# Altium PCB PCB3.PcbDoc (part 4 of 9) (continued)
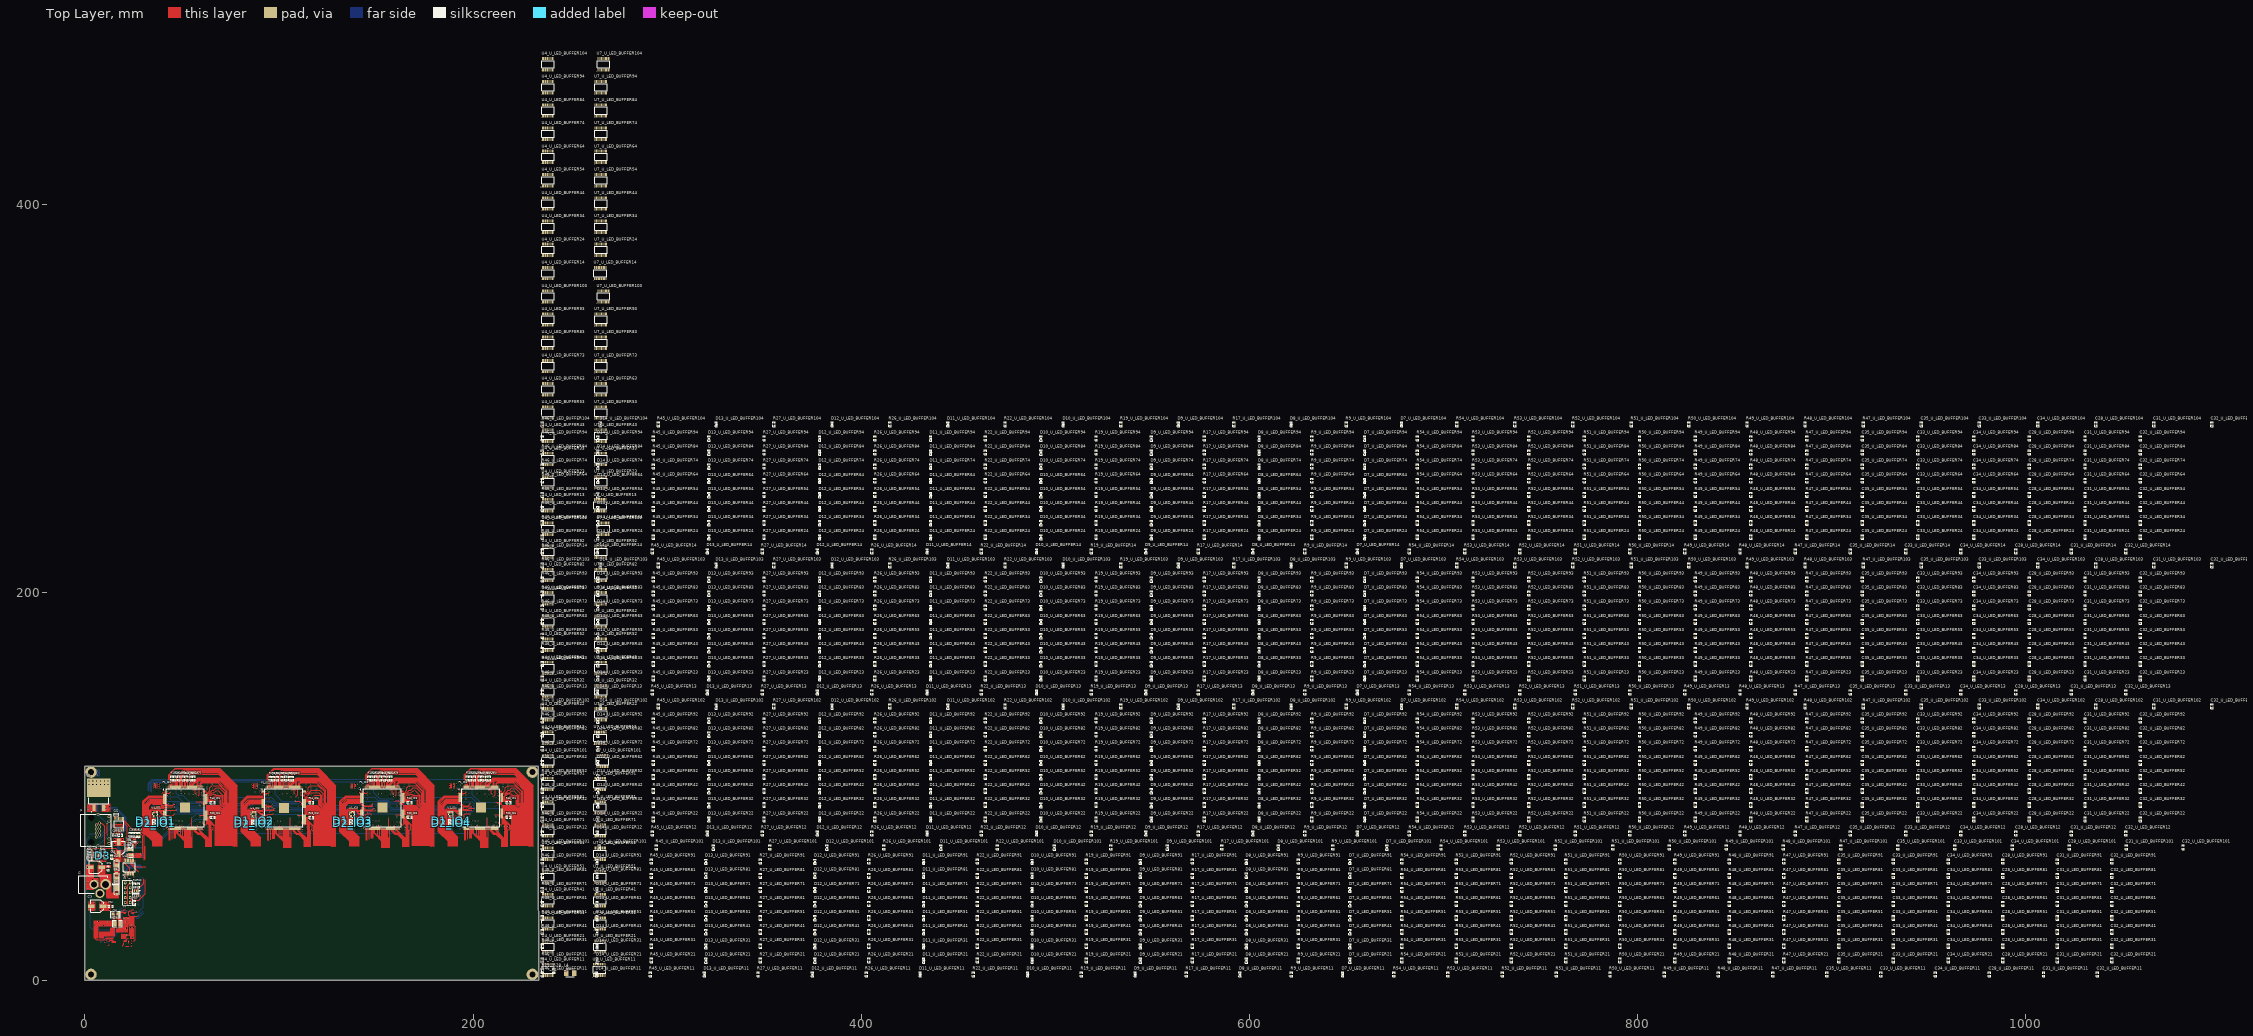
[diagram p0: Top Layer view]
## Part data
C1_IO1 C1_IO2 C1_IO3 C1_IO4 C28_U_LED_BUFFER11 C28_U_LED_BUFFER12 C28_U_LED_BUFFER13 C28_U_LED_BUFFER14 C28_U_LED_BUFFER21 C28_U_LED_BUFFER22 C28_U_LED_BUFFER23 C28_U_LED_BUFFER24 C28_U_LED_BUFFER31 C28_U_LED_BUFFER32 C28_U_LED_BUFFER33 C28_U_LED_BUFFER34 C28_U_LED_BUFFER41 C28_U_LED_BUFFER42 C28_U_LED_BUFFER43 C28_U_LED_BUFFER44 C28_U_LED_BUFFER51 C28_U_LED_BUFFER52 C28_U_LED_BUFFER53 C28_U_LED_BUFFER54 C28_U_LED_BUFFER61 C28_U_LED_BUFFER62 C28_U_LED_BUFFER63 C28_U_LED_BUFFER64 C28_U_LED_BUFFER71 C28_U_LED_BUFFER72 C28_U_LED_BUFFER73 C28_U_LED_BUFFER74 C28_U_LED_BUFFER81 C28_U_LED_BUFFER82 C28_U_LED_BUFFER83 C28_U_LED_BUFFER84 C28_U_LED_BUFFER91 C28_U_LED_BUFFER92 C28_U_LED_BUFFER93 C28_U_LED_BUFFER94 C28_U_LED_BUFFER101 C28_U_LED_BUFFER102 C28_U_LED_BUFFER103 C28_U_LED_BUFFER104 C31_U_LED_BUFFER11 C31_U_LED_BUFFER12 C31_U_LED_BUFFER13 C31_U_LED_BUFFER14 C31_U_LED_BUFFER21 C31_U_LED_BUFFER22 C31_U_LED_BUFFER23 C31_U_LED_BUFFER24 C31_U_LED_BUFFER31 C31_U_LED_BUFFER32 C31_U_LED_BUFFER33 C31_U_LED_BUFFER34 C31_U_LED_BUFFER41 C31_U_LED_BUFFER42 C31_U_LED_BUFFER43 C31_U_LED_BUFFER44 C31_U_LED_BUFFER51 C31_U_LED_BUFFER52 C31_U_LED_BUFFER53 C31_U_LED_BUFFER54 C31_U_LED_BUFFER61 C31_U_LED_BUFFER62 C31_U_LED_BUFFER63 C31_U_LED_BUFFER64 C31_U_LED_BUFFER71 C31_U_LED_BUFFER72 C31_U_LED_BUFFER73 C31_U_LED_BUFFER74 C31_U_LED_BUFFER81 C31_U_LED_BUFFER82 C31_U_LED_BUFFER83 C31_U_LED_BUFFER84 C31_U_LED_BUFFER91 C31_U_LED_BUFFER92 C31_U_LED_BUFFER93 C31_U_LED_BUFFER94 C31_U_LED_BUFFER101 C31_U_LED_BUFFER102 C31_U_LED_BUFFER103 C31_U_LED_BUFFER104 C32_U_LED_BUFFER11 C32_U_LED_BUFFER12 C32_U_LED_BUFFER13 C32_U_LED_BUFFER14 C32_U_LED_BUFFER21 C32_U_LED_BUFFER22 C32_U_LED_BUFFER23 C32_U_LED_BUFFER24 C32_U_LED_BUFFER31 C32_U_LED_BUFFER32 C32_U_LED_BUFFER33 C32_U_LED_BUFFER34 C32_U_LED_BUFFER41 C32_U_LED_BUFFER42 C32_U_LED_BUFFER43 C32_U_LED_BUFFER44 C32_U_LED_BUFFER51 C32_U_LED_BUFFER52 C32_U_LED_BUFFER53 C32_U_LED_BUFFER54 C32_U_LED_BUFFER61 C32_U_LED_BUFFER62 C32_U_LED_BUFFER63 C32_U_LED_BUFFER64 C32_U_LED_BUFFER71 C32_U_LED_BUFFER72 C32_U_LED_BUFFER73 C32_U_LED_BUFFER74 C32_U_LED_BUFFER81 C32_U_LED_BUFFER82 C32_U_LED_BUFFER83 C32_U_LED_BUFFER84 C32_U_LED_BUFFER91 C32_U_LED_BUFFER92 C32_U_LED_BUFFER93 C32_U_LED_BUFFER94 C32_U_LED_BUFFER101 C32_U_LED_BUFFER102 C32_U_LED_BUFFER103 C32_U_LED_BUFFER104: library part Cap, "Multilayer Ceramic Capacitors MLCC - SMD/SMT 0603 16VDC 0.1uF 10% X7R AEC-Q200", Mfr="Taiyo Yuden", Mfr Part No=EMK107B7104KAHT, Package=0603, PRICE=0.101, Stockiest=MOUSER, Stockiest Part No=963-EMK107B7104KAHT
C18: library part Cap, "Multilayer Ceramic Capacitors MLCC - SMD/SMT 16volts 1uF X7R 10%", Mfr=KEMET, Mfr Part No=C0603C105K4RAC7411, Package=0603, PRICE=0.101, Stockiest=MOUSER, Stockiest Part No=80-C0603C105K4RLR
C19 C26 C27 C29 C30: library part Cap, "Multilayer Ceramic Capacitors MLCC - SMD/SMT 1210 25VDC 22uF 20% X7R AEC-Q200", Mfr="Taiyo Yuden", Mfr Part No=TMK325B7226MMHP, Package=1210, PRICE=0.807, Stockiest=MOUSER, Stockiest Part No=963-TMK325B7226MMHP
C20 C40 C41 C42 C43 C44: library part Cap, "Multilayer Ceramic Capacitors MLCC - SMD/SMT 50V 0.1uF 0603 X7R 20%", Mfr=KEMET, Mfr Part No=C0603C104M5RACTU, Package=0603, PRICE=0.101, Stockiest=MOUSER, Stockiest Part No=80-C0603C104M5R
C21: library part Cap, "Multilayer Ceramic Capacitors MLCC - SMD/SMT 63V 1000pF 0603 X7R 10% AEC-Q200", Mfr=KEMET, Mfr Part No=80-C0603C102KMREAUTO, Package=0603, PRICE=0.201, Stockiest=MOUSER, Stockiest Part No=C0603C102KMRECAUTO
C22: library part Cap, "Multilayer Ceramic Capacitors MLCC - SMD/SMT 0603 50VDC 6.8nF 5% C0G AEC-Q200", Mfr=TDK, Mfr Part No=CGA3E2C0G1H682J080AE, Package=0603, PRICE=0.363, Stockiest=MOUSER, Stockiest Part No=810-CGA3E2C0G1H682J8
C25 C36 C37 C38 C39: library part Cap, "Multilayer Ceramic Capacitors MLCC - SMD/SMT 50V 10pF 0603 C0G 5% AEC-Q200", Mfr=KEMET, Mfr Part No=C0603C100J5GACAUTO, Package=0603, PRICE=0.192, Stockiest=MOUSER, Stockiest Part No=80-C0603C100J5GAUTO
C33_U_LED_BUFFER11 C33_U_LED_BUFFER12 C33_U_LED_BUFFER13 C33_U_LED_BUFFER14 C33_U_LED_BUFFER21 C33_U_LED_BUFFER22 C33_U_LED_BUFFER23 C33_U_LED_BUFFER24 C33_U_LED_BUFFER31 C33_U_LED_BUFFER32 C33_U_LED_BUFFER33 C33_U_LED_BUFFER34 C33_U_LED_BUFFER41 C33_U_LED_BUFFER42 C33_U_LED_BUFFER43 C33_U_LED_BUFFER44 C33_U_LED_BUFFER51 C33_U_LED_BUFFER52 C33_U_LED_BUFFER53 C33_U_LED_BUFFER54 C33_U_LED_BUFFER61 C33_U_LED_BUFFER62 C33_U_LED_BUFFER63 C33_U_LED_BUFFER64 C33_U_LED_BUFFER71 C33_U_LED_BUFFER72 C33_U_LED_BUFFER73 C33_U_LED_BUFFER74 C33_U_LED_BUFFER81 C33_U_LED_BUFFER82 C33_U_LED_BUFFER83 C33_U_LED_BUFFER84 C33_U_LED_BUFFER91 C33_U_LED_BUFFER92 C33_U_LED_BUFFER93 C33_U_LED_BUFFER94 C33_U_LED_BUFFER101 C33_U_LED_BUFFER102 C33_U_LED_BUFFER103 C33_U_LED_BUFFER104 C34_U_LED_BUFFER11 C34_U_LED_BUFFER12 C34_U_LED_BUFFER13 C34_U_LED_BUFFER14 C34_U_LED_BUFFER21 C34_U_LED_BUFFER22 C34_U_LED_BUFFER23 C34_U_LED_BUFFER24 C34_U_LED_BUFFER31 C34_U_LED_BUFFER32 C34_U_LED_BUFFER33 C34_U_LED_BUFFER34 C34_U_LED_BUFFER41 C34_U_LED_BUFFER42 C34_U_LED_BUFFER43 C34_U_LED_BUFFER44 C34_U_LED_BUFFER51 C34_U_LED_BUFFER52 C34_U_LED_BUFFER53 C34_U_LED_BUFFER54 C34_U_LED_BUFFER61 C34_U_LED_BUFFER62 C34_U_LED_BUFFER63 C34_U_LED_BUFFER64 C34_U_LED_BUFFER71 C34_U_LED_BUFFER72 C34_U_LED_BUFFER73 C34_U_LED_BUFFER74 C34_U_LED_BUFFER81 C34_U_LED_BUFFER82 C34_U_LED_BUFFER83 C34_U_LED_BUFFER84 C34_U_LED_BUFFER91 C34_U_LED_BUFFER92 C34_U_LED_BUFFER93 C34_U_LED_BUFFER94 C34_U_LED_BUFFER101 C34_U_LED_BUFFER102 C34_U_LED_BUFFER103 C34_U_LED_BUFFER104 C35_U_LED_BUFFER11 C35_U_LED_BUFFER12 C35_U_LED_BUFFER13 C35_U_LED_BUFFER14 C35_U_LED_BUFFER21 C35_U_LED_BUFFER22 C35_U_LED_BUFFER23 C35_U_LED_BUFFER24 C35_U_LED_BUFFER31 C35_U_LED_BUFFER32 C35_U_LED_BUFFER33 C35_U_LED_BUFFER34 C35_U_LED_BUFFER41 C35_U_LED_BUFFER42 C35_U_LED_BUFFER43 C35_U_LED_BUFFER44 C35_U_LED_BUFFER51 C35_U_LED_BUFFER52 C35_U_LED_BUFFER53 C35_U_LED_BUFFER54 C35_U_LED_BUFFER61 C35_U_LED_BUFFER62 C35_U_LED_BUFFER63 C35_U_LED_BUFFER64 C35_U_LED_BUFFER71 C35_U_LED_BUFFER72 C35_U_LED_BUFFER73 C35_U_LED_BUFFER74 C35_U_LED_BUFFER81 C35_U_LED_BUFFER82 C35_U_LED_BUFFER83 C35_U_LED_BUFFER84 C35_U_LED_BUFFER91 C35_U_LED_BUFFER92 C35_U_LED_BUFFER93 C35_U_LED_BUFFER94 C35_U_LED_BUFFER101 C35_U_LED_BUFFER102 C35_U_LED_BUFFER103 C35_U_LED_BUFFER104: library part Cap, "Multilayer Ceramic Capacitors MLCC - SMD/SMT 16volts 1uF X7R 10%", Mfr=KEMET, Mfr Part No=C0603C105K4RACTU, Package=0603, PRICE=0.101, Stockiest=MOUSER, Stockiest Part No=80-C0603C105K4R
C73 C76 C79: library part "Cap Pol1", "Polarized Capacitor (Radial)", Mfr=Panasonic, Mfr Part No=EEE-FN1J100L, Package=SMD, PRICE=0.484, Stockiest=MOUSER, Stockiest Part No=667-EEE-FN1J100L
C74 C75 C77 C78: library part Cap, "Multilayer Ceramic Capacitors MLCC - SMD/SMT 0603 2.2uF 20% 50VDC X5R", Mfr="Murata Electronics", Mfr Part No=GRM188R61H225ME11J, Package=0603, PRICE=0.333, Stockiest=MOUSER, Stockiest Part No=81-GRM188R61H225ME1J
D1_IO1 D1_IO2 D1_IO3 D1_IO4 D2_IO1 D2_IO2 D2_IO3 D2_IO4 D3: library part LED, "Standard LEDs - SMD Red 631nm 14mcd 5mA", Mfr=Lite-On, Mfr Part No=LTST-C193KRKT-5A, Package=0603, PRICE=0.393, Stockiest=MOUSER, Stockiest Part No=859-LTSTC193KRKT5A
D4 D5 D6: "Schottky Diodes & Rectifiers 8A 100V", Mfr="Vishay General Semiconductor", Mfr Part No=V8PAM10S-M3/H, PRICE=0.39, Stockiest=MOUSER, Stockiest Part No=78-V8PAM10S-M3/H
D7_U_LED_BUFFER11 D7_U_LED_BUFFER12 D7_U_LED_BUFFER13 D7_U_LED_BUFFER14 D7_U_LED_BUFFER21 D7_U_LED_BUFFER22 D7_U_LED_BUFFER23 D7_U_LED_BUFFER24 D7_U_LED_BUFFER31 D7_U_LED_BUFFER32 D7_U_LED_BUFFER33 D7_U_LED_BUFFER34 D7_U_LED_BUFFER41 D7_U_LED_BUFFER42 D7_U_LED_BUFFER43 D7_U_LED_BUFFER44 D7_U_LED_BUFFER51 D7_U_LED_BUFFER52 D7_U_LED_BUFFER53 D7_U_LED_BUFFER54 D7_U_LED_BUFFER61 D7_U_LED_BUFFER62 D7_U_LED_BUFFER63 D7_U_LED_BUFFER64 D7_U_LED_BUFFER71 D7_U_LED_BUFFER72 D7_U_LED_BUFFER73 D7_U_LED_BUFFER74 D7_U_LED_BUFFER81 D7_U_LED_BUFFER82 D7_U_LED_BUFFER83 D7_U_LED_BUFFER84 D7_U_LED_BUFFER91 D7_U_LED_BUFFER92 D7_U_LED_BUFFER93 D7_U_LED_BUFFER94 D7_U_LED_BUFFER101 D7_U_LED_BUFFER102 D7_U_LED_BUFFER103 D7_U_LED_BUFFER104 D8_U_LED_BUFFER11 D8_U_LED_BUFFER12 D8_U_LED_BUFFER13 D8_U_LED_BUFFER14 D8_U_LED_BUFFER21 D8_U_LED_BUFFER22 D8_U_LED_BUFFER23 D8_U_LED_BUFFER24 D8_U_LED_BUFFER31 D8_U_LED_BUFFER32 D8_U_LED_BUFFER33 D8_U_LED_BUFFER34 D8_U_LED_BUFFER41 D8_U_LED_BUFFER42 D8_U_LED_BUFFER43 D8_U_LED_BUFFER44 D8_U_LED_BUFFER51 D8_U_LED_BUFFER52 D8_U_LED_BUFFER53 D8_U_LED_BUFFER54 D8_U_LED_BUFFER61 D8_U_LED_BUFFER62 D8_U_LED_BUFFER63 D8_U_LED_BUFFER64 D8_U_LED_BUFFER71 D8_U_LED_BUFFER72 D8_U_LED_BUFFER73 D8_U_LED_BUFFER74 D8_U_LED_BUFFER81 D8_U_LED_BUFFER82 D8_U_LED_BUFFER83 D8_U_LED_BUFFER84 D8_U_LED_BUFFER91 D8_U_LED_BUFFER92 D8_U_LED_BUFFER93 D8_U_LED_BUFFER94 D8_U_LED_BUFFER101 D8_U_LED_BUFFER102 D8_U_LED_BUFFER103 D8_U_LED_BUFFER104 D9_U_LED_BUFFER11 D9_U_LED_BUFFER12 D9_U_LED_BUFFER13 D9_U_LED_BUFFER14 D9_U_LED_BUFFER21 D9_U_LED_BUFFER22 D9_U_LED_BUFFER23 D9_U_LED_BUFFER24 D9_U_LED_BUFFER31 D9_U_LED_BUFFER32 D9_U_LED_BUFFER33 D9_U_LED_BUFFER34 D9_U_LED_BUFFER41 D9_U_LED_BUFFER42 D9_U_LED_BUFFER43 D9_U_LED_BUFFER44 D9_U_LED_BUFFER51 D9_U_LED_BUFFER52 D9_U_LED_BUFFER53 D9_U_LED_BUFFER54 D9_U_LED_BUFFER61 D9_U_LED_BUFFER62 D9_U_LED_BUFFER63 D9_U_LED_BUFFER64 D9_U_LED_BUFFER71 D9_U_LED_BUFFER72 D9_U_LED_BUFFER73 D9_U_LED_BUFFER74 D9_U_LED_BUFFER81 D9_U_LED_BUFFER82 D9_U_LED_BUFFER83 D9_U_LED_BUFFER84 D9_U_LED_BUFFER91 D9_U_LED_BUFFER92 D9_U_LED_BUFFER93 D9_U_LED_BUFFER94 D9_U_LED_BUFFER101 D9_U_LED_BUFFER102 D9_U_LED_BUFFER103 D9_U_LED_BUFFER104 D10_U_LED_BUFFER11 D10_U_LED_BUFFER12 D10_U_LED_BUFFER13 D10_U_LED_BUFFER14 D10_U_LED_BUFFER21 D10_U_LED_BUFFER22 D10_U_LED_BUFFER23 D10_U_LED_BUFFER24 D10_U_LED_BUFFER31 D10_U_LED_BUFFER32 D10_U_LED_BUFFER33 D10_U_LED_BUFFER34 D10_U_LED_BUFFER41 D10_U_LED_BUFFER42 D10_U_LED_BUFFER43 D10_U_LED_BUFFER44 D10_U_LED_BUFFER51 D10_U_LED_BUFFER52 D10_U_LED_BUFFER53 D10_U_LED_BUFFER54 D10_U_LED_BUFFER61 D10_U_LED_BUFFER62 D10_U_LED_BUFFER63 D10_U_LED_BUFFER64 D10_U_LED_BUFFER71 D10_U_LED_BUFFER72 D10_U_LED_BUFFER73 D10_U_LED_BUFFER74 D10_U_LED_BUFFER81 D10_U_LED_BUFFER82 D10_U_LED_BUFFER83 D10_U_LED_BUFFER84 D10_U_LED_BUFFER91 D10_U_LED_BUFFER92 D10_U_LED_BUFFER93 D10_U_LED_BUFFER94 D10_U_LED_BUFFER101 D10_U_LED_BUFFER102 D10_U_LED_BUFFER103 D10_U_LED_BUFFER104 D11_U_LED_BUFFER11 D11_U_LED_BUFFER12 D11_U_LED_BUFFER13 D11_U_LED_BUFFER14 D11_U_LED_BUFFER21 D11_U_LED_BUFFER22 D11_U_LED_BUFFER23 D11_U_LED_BUFFER24 D11_U_LED_BUFFER31 D11_U_LED_BUFFER32 D11_U_LED_BUFFER33 D11_U_LED_BUFFER34 D11_U_LED_BUFFER41 D11_U_LED_BUFFER42 D11_U_LED_BUFFER43 D11_U_LED_BUFFER44 D11_U_LED_BUFFER51 D11_U_LED_BUFFER52 D11_U_LED_BUFFER53 D11_U_LED_BUFFER54 D11_U_LED_BUFFER61 D11_U_LED_BUFFER62 D11_U_LED_BUFFER63 D11_U_LED_BUFFER64 D11_U_LED_BUFFER71 D11_U_LED_BUFFER72 D11_U_LED_BUFFER73 D11_U_LED_BUFFER74 D11_U_LED_BUFFER81 D11_U_LED_BUFFER82 D11_U_LED_BUFFER83 D11_U_LED_BUFFER84 D11_U_LED_BUFFER91 D11_U_LED_BUFFER92 D11_U_LED_BUFFER93 D11_U_LED_BUFFER94 D11_U_LED_BUFFER101 D11_U_LED_BUFFER102 D11_U_LED_BUFFER103 D11_U_LED_BUFFER104 D12_U_LED_BUFFER11 D12_U_LED_BUFFER12 D12_U_LED_BUFFER13 D12_U_LED_BUFFER14 D12_U_LED_BUFFER21 D12_U_LED_BUFFER22 D12_U_LED_BUFFER23 D12_U_LED_BUFFER24 D12_U_LED_BUFFER31 D12_U_LED_BUFFER32 D12_U_LED_BUFFER33 D12_U_LED_BUFFER34 D12_U_LED_BUFFER41 D12_U_LED_BUFFER42 D12_U_LED_BUFFER43 D12_U_LED_BUFFER44 D12_U_LED_BUFFER51 D12_U_LED_BUFFER52 D12_U_LED_BUFFER53 D12_U_LED_BUFFER54 D12_U_LED_BUFFER61 D12_U_LED_BUFFER62 D12_U_LED_BUFFER63 D12_U_LED_BUFFER64 D12_U_LED_BUFFER71 D12_U_LED_BUFFER72 D12_U_LED_BUFFER73 D12_U_LED_BUFFER74 D12_U_LED_BUFFER81 D12_U_LED_BUFFER82 D12_U_LED_BUFFER83 D12_U_LED_BUFFER84 D12_U_LED_BUFFER91 D12_U_LED_BUFFER92 D12_U_LED_BUFFER93 D12_U_LED_BUFFER94 D12_U_LED_BUFFER101 D12_U_LED_BUFFER102 D12_U_LED_BUFFER103 D12_U_LED_BUFFER104 D13_U_LED_BUFFER11 D13_U_LED_BUFFER12 D13_U_LED_BUFFER13 D13_U_LED_BUFFER14 D13_U_LED_BUFFER21 D13_U_LED_BUFFER22 D13_U_LED_BUFFER23 D13_U_LED_BUFFER24 D13_U_LED_BUFFER31 D13_U_LED_BUFFER32 D13_U_LED_BUFFER33 D13_U_LED_BUFFER34 D13_U_LED_BUFFER41 D13_U_LED_BUFFER42 D13_U_LED_BUFFER43 D13_U_LED_BUFFER44 D13_U_LED_BUFFER51 D13_U_LED_BUFFER52 D13_U_LED_BUFFER53 D13_U_LED_BUFFER54 D13_U_LED_BUFFER61 D13_U_LED_BUFFER62 D13_U_LED_BUFFER63 D13_U_LED_BUFFER64 D13_U_LED_BUFFER71 D13_U_LED_BUFFER72 D13_U_LED_BUFFER73 D13_U_LED_BUFFER74 D13_U_LED_BUFFER81 D13_U_LED_BUFFER82 D13_U_LED_BUFFER83 D13_U_LED_BUFFER84 D13_U_LED_BUFFER91 D13_U_LED_BUFFER92 D13_U_LED_BUFFER93 D13_U_LED_BUFFER94 D13_U_LED_BUFFER101 D13_U_LED_BUFFER102 D13_U_LED_BUFFER103 D13_U_LED_BUFFER104 D14_U_LED_BUFFER11 D14_U_LED_BUFFER12 D14_U_LED_BUFFER13 D14_U_LED_BUFFER14 D14_U_LED_BUFFER21 D14_U_LED_BUFFER22 D14_U_LED_BUFFER23 D14_U_LED_BUFFER24 D14_U_LED_BUFFER31 D14_U_LED_BUFFER32 D14_U_LED_BUFFER33 D14_U_LED_BUFFER34 D14_U_LED_BUFFER41 D14_U_LED_BUFFER42 D14_U_LED_BUFFER43 D14_U_LED_BUFFER44 D14_U_LED_BUFFER51 D14_U_LED_BUFFER52 D14_U_LED_BUFFER53 D14_U_LED_BUFFER54 D14_U_LED_BUFFER61 D14_U_LED_BUFFER62 D14_U_LED_BUFFER63 D14_U_LED_BUFFER64 D14_U_LED_BUFFER71 D14_U_LED_BUFFER72 D14_U_LED_BUFFER73 D14_U_LED_BUFFER74 D14_U_LED_BUFFER81 D14_U_LED_BUFFER82 D14_U_LED_BUFFER83 D14_U_LED_BUFFER84 D14_U_LED_BUFFER91 D14_U_LED_BUFFER92 D14_U_LED_BUFFER93 D14_U_LED_BUFFER94 D14_U_LED_BUFFER101 D14_U_LED_BUFFER102 D14_U_LED_BUFFER103 D14_U_LED_BUFFER104: library part LED, "Standard LEDs - SMD Grn 527nm; 140mcd 0603; 70mW", Mfr="ROHM Semiconductor", Mfr Part No=SMLD12EN1WT86, Package=0603, PRICE=0.695, Stockiest=MOUSER, Stockiest Part No=755-SMLD12EN1WT86
J1: "Modular Connectors / Ethernet Connectors R/A RJ45 SHEILDED 8 CONT Y/G LEDS", Mfr="Amphenol Commercial Products", Mfr Part No=RJHSE-5381, PRICE=1.77, Stockiest=MOUSER, Stockiest Part No=523-RJHSE-5381
J2: "Connector", Manufacturer_Name="CUI Devices", Mouser Part Number=490-PJ-002BH, Arrow Part Number=PJ-002BH, Arrow Price/Stock=https://www.arrow.com/en/products/pj-002bh/cui-devices, Datasheet Link=https://componentsearchengine.com/Datasheets/1/PJ-002BH.pdf, Height=11mm, Manufacturer_Part_Number=PJ-002BH, Mouser Price/Stock=https://www.mouser.co.uk/ProductDetail/CUI-Devices/PJ-002BH?qs=WyjlAZoYn51nOX1h%2FqpLlg%3D%3D
L4: library part INDUCTOR, "Fixed Inductors 2.2uH 20% High Temp AEC-Q200", Mfr="Vishay / Dale", Mfr Part No=IHLP1616BZER2R2M5A, PRICE=1.36, Stockiest=MOUSER, Stockiest Part No=70-IHLP1616BZR2R2M5A
P1_IO1 P1_IO2 P1_IO3 P1_IO4: "FPGA - Field Programmable Gate Array non-volatile FPGA, 101 I/O, 144EQFP", Mfr="Intel / Altera", Mfr Part No=10M04SCE144C8G, Package=EQFP144, PRICE=11.52, Stockiest=MOUSER, Stockiest Part No=989-10M04SCE144C8G
P3: library part "Header 5X2", "Header, 5-Pin, Dual row", Stockiest=MOUSER
R1_IO1 R1_IO2 R1_IO3 R1_IO4 R2_IO1 R2_IO2 R2_IO3 R2_IO4 R3_IO1 R3_IO2 R3_IO3 R3_IO4 R4_IO1 R4_IO2 R4_IO3 R4_IO4 R5_IO1 R5_IO2 R5_IO3 R5_IO4 R6_IO1 R6_IO2 R6_IO3 R6_IO4 R7_IO1 R7_IO2 R7_IO3 R7_IO4 R10 R11 R23 R24 R25 R28 R30 R31 R32 R33 R34 R37 R44: library part Res1, "Thick Film Resistors - SMD 0603 10Kohms 1% Anti-Sulfur AEC-Q200", Mfr="ROHM Semiconductor", Mfr Part No=SFR03EZPF1002, Package=0603, PRICE=0.101, Stockiest=MOUSER, Stockiest Part No=755-SFR03EZPF1002
R8_IO1 R8_IO2 R8_IO3 R8_IO4 R21_IO1 R21_IO2 R21_IO3 R21_IO4: library part Res1, "Thick Film Resistors - SMD 1/10Watt 220ohms 5% Commercial Use", Mfr="Vishay / Dale", Mfr Part No=CRCW0603220RJNEAC, Package=0603, PRICE=0.101, Stockiest=MOUSER, Stockiest Part No=71-CRCW0603220RJNEAC
R9_U_LED_BUFFER11 R9_U_LED_BUFFER12 R9_U_LED_BUFFER13 R9_U_LED_BUFFER14 R9_U_LED_BUFFER21 R9_U_LED_BUFFER22 R9_U_LED_BUFFER23 R9_U_LED_BUFFER24 R9_U_LED_BUFFER31 R9_U_LED_BUFFER32 R9_U_LED_BUFFER33 R9_U_LED_BUFFER34 R9_U_LED_BUFFER41 R9_U_LED_BUFFER42 R9_U_LED_BUFFER43 R9_U_LED_BUFFER44 R9_U_LED_BUFFER51 R9_U_LED_BUFFER52 R9_U_LED_BUFFER53 R9_U_LED_BUFFER54 R9_U_LED_BUFFER61 R9_U_LED_BUFFER62 R9_U_LED_BUFFER63 R9_U_LED_BUFFER64 R9_U_LED_BUFFER71 R9_U_LED_BUFFER72 R9_U_LED_BUFFER73 R9_U_LED_BUFFER74 R9_U_LED_BUFFER81 R9_U_LED_BUFFER82 R9_U_LED_BUFFER83 R9_U_LED_BUFFER84 R9_U_LED_BUFFER91 R9_U_LED_BUFFER92 R9_U_LED_BUFFER93 R9_U_LED_BUFFER94 R9_U_LED_BUFFER101 R9_U_LED_BUFFER102 R9_U_LED_BUFFER103 R9_U_LED_BUFFER104 R17_U_LED_BUFFER11 R17_U_LED_BUFFER12 R17_U_LED_BUFFER13 R17_U_LED_BUFFER14 R17_U_LED_BUFFER21 R17_U_LED_BUFFER22 R17_U_LED_BUFFER23 R17_U_LED_BUFFER24 R17_U_LED_BUFFER31 R17_U_LED_BUFFER32 R17_U_LED_BUFFER33 R17_U_LED_BUFFER34 R17_U_LED_BUFFER41 R17_U_LED_BUFFER42 R17_U_LED_BUFFER43 R17_U_LED_BUFFER44 R17_U_LED_BUFFER51 R17_U_LED_BUFFER52 R17_U_LED_BUFFER53 R17_U_LED_BUFFER54 R17_U_LED_BUFFER61 R17_U_LED_BUFFER62 R17_U_LED_BUFFER63 R17_U_LED_BUFFER64 R17_U_LED_BUFFER71 R17_U_LED_BUFFER72 R17_U_LED_BUFFER73 R17_U_LED_BUFFER74 R17_U_LED_BUFFER81 R17_U_LED_BUFFER82 R17_U_LED_BUFFER83 R17_U_LED_BUFFER84 R17_U_LED_BUFFER91 R17_U_LED_BUFFER92 R17_U_LED_BUFFER93 R17_U_LED_BUFFER94 R17_U_LED_BUFFER101 R17_U_LED_BUFFER102 R17_U_LED_BUFFER103 R17_U_LED_BUFFER104 R19_U_LED_BUFFER11 R19_U_LED_BUFFER12 R19_U_LED_BUFFER13 R19_U_LED_BUFFER14 R19_U_LED_BUFFER21 R19_U_LED_BUFFER22 R19_U_LED_BUFFER23 R19_U_LED_BUFFER24 R19_U_LED_BUFFER31 R19_U_LED_BUFFER32 R19_U_LED_BUFFER33 R19_U_LED_BUFFER34 R19_U_LED_BUFFER41 R19_U_LED_BUFFER42 R19_U_LED_BUFFER43 R19_U_LED_BUFFER44 R19_U_LED_BUFFER51 R19_U_LED_BUFFER52 R19_U_LED_BUFFER53 R19_U_LED_BUFFER54 R19_U_LED_BUFFER61 R19_U_LED_BUFFER62 R19_U_LED_BUFFER63 R19_U_LED_BUFFER64 R19_U_LED_BUFFER71 R19_U_LED_BUFFER72 R19_U_LED_BUFFER73 R19_U_LED_BUFFER74 R19_U_LED_BUFFER81 R19_U_LED_BUFFER82 R19_U_LED_BUFFER83 R19_U_LED_BUFFER84 R19_U_LED_BUFFER91 R19_U_LED_BUFFER92 R19_U_LED_BUFFER93 R19_U_LED_BUFFER94 R19_U_LED_BUFFER101 R19_U_LED_BUFFER102 R19_U_LED_BUFFER103 R19_U_LED_BUFFER104 R22_U_LED_BUFFER11 R22_U_LED_BUFFER12 R22_U_LED_BUFFER13 R22_U_LED_BUFFER14 R22_U_LED_BUFFER21 R22_U_LED_BUFFER22 R22_U_LED_BUFFER23 R22_U_LED_BUFFER24 R22_U_LED_BUFFER31 R22_U_LED_BUFFER32 R22_U_LED_BUFFER33 R22_U_LED_BUFFER34 R22_U_LED_BUFFER41 R22_U_LED_BUFFER42 R22_U_LED_BUFFER43 R22_U_LED_BUFFER44 R22_U_LED_BUFFER51 R22_U_LED_BUFFER52 R22_U_LED_BUFFER53 R22_U_LED_BUFFER54 R22_U_LED_BUFFER61 R22_U_LED_BUFFER62 R22_U_LED_BUFFER63 R22_U_LED_BUFFER64 R22_U_LED_BUFFER71 R22_U_LED_BUFFER72 R22_U_LED_BUFFER73 R22_U_LED_BUFFER74 R22_U_LED_BUFFER81 R22_U_LED_BUFFER82 R22_U_LED_BUFFER83 R22_U_LED_BUFFER84 R22_U_LED_BUFFER91 R22_U_LED_BUFFER92 R22_U_LED_BUFFER93 R22_U_LED_BUFFER94 R22_U_LED_BUFFER101 R22_U_LED_BUFFER102 R22_U_LED_BUFFER103 R22_U_LED_BUFFER104 R26_U_LED_BUFFER11 R26_U_LED_BUFFER12 R26_U_LED_BUFFER13 R26_U_LED_BUFFER14 R26_U_LED_BUFFER21 R26_U_LED_BUFFER22 R26_U_LED_BUFFER23 R26_U_LED_BUFFER24 R26_U_LED_BUFFER31 R26_U_LED_BUFFER32 R26_U_LED_BUFFER33 R26_U_LED_BUFFER34 R26_U_LED_BUFFER41 R26_U_LED_BUFFER42 R26_U_LED_BUFFER43 R26_U_LED_BUFFER44 R26_U_LED_BUFFER51 R26_U_LED_BUFFER52 R26_U_LED_BUFFER53 R26_U_LED_BUFFER54 R26_U_LED_BUFFER61 R26_U_LED_BUFFER62 R26_U_LED_BUFFER63 R26_U_LED_BUFFER64 R26_U_LED_BUFFER71 R26_U_LED_BUFFER72 R26_U_LED_BUFFER73 R26_U_LED_BUFFER74 R26_U_LED_BUFFER81 R26_U_LED_BUFFER82 R26_U_LED_BUFFER83 R26_U_LED_BUFFER84 R26_U_LED_BUFFER91 R26_U_LED_BUFFER92 R26_U_LED_BUFFER93 R26_U_LED_BUFFER94 R26_U_LED_BUFFER101 R26_U_LED_BUFFER102 R26_U_LED_BUFFER103 R26_U_LED_BUFFER104 R27_U_LED_BUFFER11 R27_U_LED_BUFFER12 R27_U_LED_BUFFER13 R27_U_LED_BUFFER14 R27_U_LED_BUFFER21 R27_U_LED_BUFFER22 R27_U_LED_BUFFER23 R27_U_LED_BUFFER24 R27_U_LED_BUFFER31 R27_U_LED_BUFFER32 R27_U_LED_BUFFER33 R27_U_LED_BUFFER34 R27_U_LED_BUFFER41 R27_U_LED_BUFFER42 R27_U_LED_BUFFER43 R27_U_LED_BUFFER44 R27_U_LED_BUFFER51 R27_U_LED_BUFFER52 R27_U_LED_BUFFER53 R27_U_LED_BUFFER54 R27_U_LED_BUFFER61 R27_U_LED_BUFFER62 R27_U_LED_BUFFER63 R27_U_LED_BUFFER64 R27_U_LED_BUFFER71 R27_U_LED_BUFFER72 R27_U_LED_BUFFER73 R27_U_LED_BUFFER74 R27_U_LED_BUFFER81 R27_U_LED_BUFFER82 R27_U_LED_BUFFER83 R27_U_LED_BUFFER84 R27_U_LED_BUFFER91 R27_U_LED_BUFFER92 R27_U_LED_BUFFER93 R27_U_LED_BUFFER94 R27_U_LED_BUFFER101 R27_U_LED_BUFFER102 R27_U_LED_BUFFER103 R27_U_LED_BUFFER104 R45_U_LED_BUFFER11 R45_U_LED_BUFFER12 R45_U_LED_BUFFER13 R45_U_LED_BUFFER14 R45_U_LED_BUFFER21 R45_U_LED_BUFFER22 R45_U_LED_BUFFER23 R45_U_LED_BUFFER24 R45_U_LED_BUFFER31 R45_U_LED_BUFFER32 R45_U_LED_BUFFER33 R45_U_LED_BUFFER34 R45_U_LED_BUFFER41 R45_U_LED_BUFFER42 R45_U_LED_BUFFER43 R45_U_LED_BUFFER44 R45_U_LED_BUFFER51 R45_U_LED_BUFFER52 R45_U_LED_BUFFER53 R45_U_LED_BUFFER54 R45_U_LED_BUFFER61 R45_U_LED_BUFFER62 R45_U_LED_BUFFER63 R45_U_LED_BUFFER64 R45_U_LED_BUFFER71 R45_U_LED_BUFFER72 R45_U_LED_BUFFER73 R45_U_LED_BUFFER74 R45_U_LED_BUFFER81 R45_U_LED_BUFFER82 R45_U_LED_BUFFER83 R45_U_LED_BUFFER84 R45_U_LED_BUFFER91 R45_U_LED_BUFFER92 R45_U_LED_BUFFER93 R45_U_LED_BUFFER94 R45_U_LED_BUFFER101 R45_U_LED_BUFFER102 R45_U_LED_BUFFER103 R45_U_LED_BUFFER104 R46_U_LED_BUFFER11 R46_U_LED_BUFFER12 R46_U_LED_BUFFER13 R46_U_LED_BUFFER14 R46_U_LED_BUFFER21 R46_U_LED_BUFFER22 R46_U_LED_BUFFER23 R46_U_LED_BUFFER24 R46_U_LED_BUFFER31 R46_U_LED_BUFFER32 R46_U_LED_BUFFER33 R46_U_LED_BUFFER34 R46_U_LED_BUFFER41 R46_U_LED_BUFFER42 R46_U_LED_BUFFER43 R46_U_LED_BUFFER44 R46_U_LED_BUFFER51 R46_U_LED_BUFFER52 R46_U_LED_BUFFER53 R46_U_LED_BUFFER54 R46_U_LED_BUFFER61 R46_U_LED_BUFFER62 R46_U_LED_BUFFER63 R46_U_LED_BUFFER64 R46_U_LED_BUFFER71 R46_U_LED_BUFFER72 R46_U_LED_BUFFER73 R46_U_LED_BUFFER74 R46_U_LED_BUFFER81 R46_U_LED_BUFFER82 R46_U_LED_BUFFER83 R46_U_LED_BUFFER84 R46_U_LED_BUFFER91 R46_U_LED_BUFFER92 R46_U_LED_BUFFER93 R46_U_LED_BUFFER94 R46_U_LED_BUFFER101 R46_U_LED_BUFFER102 R46_U_LED_BUFFER103 R46_U_LED_BUFFER104: library part Res1, "Thick Film Resistors - SMD 1/10Watt 330ohms 1% Commercial Use", Mfr="Vishay / Dale", Mfr Part No=CRCW0603330RFKEAC, Package=0603, PRICE=0.101, Stockiest=MOUSER, Stockiest Part No=71-CRCW0603330RFKEAC
R12 R13_IO1 R13_IO2 R13_IO3 R13_IO4 R38 R43: library part Res1, "Resistor", Mfr="Vishay / Dale", Mfr Part No=CRCW06031K00FKEAC, Package=0603, PRICE=0.1, Stockiest=MOUSER, Stockiest Part No=71-CRCW06031K00FKEAC
R14_IO1 R14_IO2 R14_IO3 R14_IO4 R20_IO1 R20_IO2 R20_IO3 R20_IO4: library part Res1, "Thick Film Resistors - SMD 1/10Watt 4.7Kohms 5% Commercial Use", Mfr="Vishay / Dale", Mfr Part No=CRCW06034K70JNEAC, Package=0603, PRICE=0.101, Stockiest=MOUSER, Stockiest Part No=71-CRCW06034K70JNEAC
R15: library part Res1, "Thick Film Resistors - SMD 0603 1% 604Kohm Anti-Sulfur AEC-Q200", Mfr=Panasonic, Mfr Part No=ERJ-U03F6043V, Package=0603, PRICE=0.221, Stockiest=MOUSER, Stockiest Part No=667-ERJ-U03F6043V
R16: library part Res1, "Thick Film Resistors - SMD 0603 0.25W 1% 20ohm AEC-Q200", Mfr=Panasonic, Mfr Part No=ERJ-UP3F20R0V, Package=0603, PRICE=0.262, Stockiest=MOUSER, Stockiest Part No=667-ERJ-UP3F20R0V
R18 R36 R42: library part Res1, "Thick Film Resistors - SMD 0603 Anti-Surge Res. 0.1%, 40.2Koh", Mfr=Panasonic, Mfr Part No=ERJ-PB3B4022V, Package=0603, PRICE=0.252, Stockiest=MOUSER, Stockiest Part No=667-ERJ-PB3B4022V
R29: library part Res1, "Thick Film Resistors - SMD 0603 Anti-Surge Res. 0.1%, 7.68Koh", Mfr=Panasonic, Mfr Part No=ERJ-PB3B7681V, Package=0603, PRICE=0.252, Stockiest=MOUSER, Stockiest Part No=667-ERJ-PB3B7681V
R35 R39 R41: library part Res1, "Thin Film Resistors - SMD 13K ohm 0.1% 25 ppm", Mfr="KOA Speer", Mfr Part No=RN73R1JTTD1302B25, Package=0603, PRICE=0.503, Stockiest=MOUSER, Stockiest Part No=660-RN73R1JTD1302B25
R40: library part Res1, "Thick Film Resistors - SMD 20K OHM .1% 25PPM", Mfr="KOA Speer", Mfr Part No=RS73F1JTTD2002B, Package=0603, PRICE=0.61, Stockiest=MOUSER, Stockiest Part No=660-RS73F1JTTD2002B
R47_U_LED_BUFFER11 R47_U_LED_BUFFER12 R47_U_LED_BUFFER13 R47_U_LED_BUFFER14 R47_U_LED_BUFFER21 R47_U_LED_BUFFER22 R47_U_LED_BUFFER23 R47_U_LED_BUFFER24 R47_U_LED_BUFFER31 R47_U_LED_BUFFER32 R47_U_LED_BUFFER33 R47_U_LED_BUFFER34 R47_U_LED_BUFFER41 R47_U_LED_BUFFER42 R47_U_LED_BUFFER43 R47_U_LED_BUFFER44 R47_U_LED_BUFFER51 R47_U_LED_BUFFER52 R47_U_LED_BUFFER53 R47_U_LED_BUFFER54 R47_U_LED_BUFFER61 R47_U_LED_BUFFER62 R47_U_LED_BUFFER63 R47_U_LED_BUFFER64 R47_U_LED_BUFFER71 R47_U_LED_BUFFER72 R47_U_LED_BUFFER73 R47_U_LED_BUFFER74 R47_U_LED_BUFFER81 R47_U_LED_BUFFER82 R47_U_LED_BUFFER83 R47_U_LED_BUFFER84 R47_U_LED_BUFFER91 R47_U_LED_BUFFER92 R47_U_LED_BUFFER93 R47_U_LED_BUFFER94 R47_U_LED_BUFFER101 R47_U_LED_BUFFER102 R47_U_LED_BUFFER103 R47_U_LED_BUFFER104 R48_U_LED_BUFFER11 R48_U_LED_BUFFER12 R48_U_LED_BUFFER13 R48_U_LED_BUFFER14 R48_U_LED_BUFFER21 R48_U_LED_BUFFER22 R48_U_LED_BUFFER23 R48_U_LED_BUFFER24 R48_U_LED_BUFFER31 R48_U_LED_BUFFER32 R48_U_LED_BUFFER33 R48_U_LED_BUFFER34 R48_U_LED_BUFFER41 R48_U_LED_BUFFER42 R48_U_LED_BUFFER43 R48_U_LED_BUFFER44 R48_U_LED_BUFFER51 R48_U_LED_BUFFER52 R48_U_LED_BUFFER53 R48_U_LED_BUFFER54 R48_U_LED_BUFFER61 R48_U_LED_BUFFER62 R48_U_LED_BUFFER63 R48_U_LED_BUFFER64 R48_U_LED_BUFFER71 R48_U_LED_BUFFER72 R48_U_LED_BUFFER73 R48_U_LED_BUFFER74 R48_U_LED_BUFFER81 R48_U_LED_BUFFER82 R48_U_LED_BUFFER83 R48_U_LED_BUFFER84 R48_U_LED_BUFFER91 R48_U_LED_BUFFER92 R48_U_LED_BUFFER93 R48_U_LED_BUFFER94 R48_U_LED_BUFFER101 R48_U_LED_BUFFER102 R48_U_LED_BUFFER103 R48_U_LED_BUFFER104 R49_U_LED_BUFFER11 R49_U_LED_BUFFER12 R49_U_LED_BUFFER13 R49_U_LED_BUFFER14 R49_U_LED_BUFFER21 R49_U_LED_BUFFER22 R49_U_LED_BUFFER23 R49_U_LED_BUFFER24 R49_U_LED_BUFFER31 R49_U_LED_BUFFER32 R49_U_LED_BUFFER33 R49_U_LED_BUFFER34 R49_U_LED_BUFFER41 R49_U_LED_BUFFER42 R49_U_LED_BUFFER43 R49_U_LED_BUFFER44 R49_U_LED_BUFFER51 R49_U_LED_BUFFER52 R49_U_LED_BUFFER53 R49_U_LED_BUFFER54 R49_U_LED_BUFFER61 R49_U_LED_BUFFER62 R49_U_LED_BUFFER63 R49_U_LED_BUFFER64 R49_U_LED_BUFFER71 R49_U_LED_BUFFER72 R49_U_LED_BUFFER73 R49_U_LED_BUFFER74 R49_U_LED_BUFFER81 R49_U_LED_BUFFER82 R49_U_LED_BUFFER83 R49_U_LED_BUFFER84 R49_U_LED_BUFFER91 R49_U_LED_BUFFER92 R49_U_LED_BUFFER93 R49_U_LED_BUFFER94 R49_U_LED_BUFFER101 R49_U_LED_BUFFER102 R49_U_LED_BUFFER103 R49_U_LED_BUFFER104 R50_U_LED_BUFFER11 R50_U_LED_BUFFER12 R50_U_LED_BUFFER13 R50_U_LED_BUFFER14 R50_U_LED_BUFFER21 R50_U_LED_BUFFER22 R50_U_LED_BUFFER23 R50_U_LED_BUFFER24 R50_U_LED_BUFFER31 R50_U_LED_BUFFER32 R50_U_LED_BUFFER33 R50_U_LED_BUFFER34 R50_U_LED_BUFFER41 R50_U_LED_BUFFER42 R50_U_LED_BUFFER43 R50_U_LED_BUFFER44 R50_U_LED_BUFFER51 R50_U_LED_BUFFER52 R50_U_LED_BUFFER53 R50_U_LED_BUFFER54 R50_U_LED_BUFFER61 R50_U_LED_BUFFER62 R50_U_LED_BUFFER63 R50_U_LED_BUFFER64 R50_U_LED_BUFFER71 R50_U_LED_BUFFER72 R50_U_LED_BUFFER73 R50_U_LED_BUFFER74 R50_U_LED_BUFFER81 R50_U_LED_BUFFER82 R50_U_LED_BUFFER83 R50_U_LED_BUFFER84 R50_U_LED_BUFFER91 R50_U_LED_BUFFER92 R50_U_LED_BUFFER93 R50_U_LED_BUFFER94 R50_U_LED_BUFFER101 R50_U_LED_BUFFER102 R50_U_LED_BUFFER103 R50_U_LED_BUFFER104 R51_U_LED_BUFFER11 R51_U_LED_BUFFER12 R51_U_LED_BUFFER13 R51_U_LED_BUFFER14 R51_U_LED_BUFFER21 R51_U_LED_BUFFER22 R51_U_LED_BUFFER23 R51_U_LED_BUFFER24 R51_U_LED_BUFFER31 R51_U_LED_BUFFER32 R51_U_LED_BUFFER33 R51_U_LED_BUFFER34 R51_U_LED_BUFFER41 R51_U_LED_BUFFER42 R51_U_LED_BUFFER43 R51_U_LED_BUFFER44 R51_U_LED_BUFFER51 R51_U_LED_BUFFER52 R51_U_LED_BUFFER53 R51_U_LED_BUFFER54 R51_U_LED_BUFFER61 R51_U_LED_BUFFER62 R51_U_LED_BUFFER63 R51_U_LED_BUFFER64 R51_U_LED_BUFFER71 R51_U_LED_BUFFER72 R51_U_LED_BUFFER73 R51_U_LED_BUFFER74 R51_U_LED_BUFFER81 R51_U_LED_BUFFER82 R51_U_LED_BUFFER83 R51_U_LED_BUFFER84 R51_U_LED_BUFFER91 R51_U_LED_BUFFER92 R51_U_LED_BUFFER93 R51_U_LED_BUFFER94 R51_U_LED_BUFFER101 R51_U_LED_BUFFER102 R51_U_LED_BUFFER103 R51_U_LED_BUFFER104 R52_U_LED_BUFFER11 R52_U_LED_BUFFER12 R52_U_LED_BUFFER13 R52_U_LED_BUFFER14 R52_U_LED_BUFFER21 R52_U_LED_BUFFER22 R52_U_LED_BUFFER23 R52_U_LED_BUFFER24 R52_U_LED_BUFFER31 R52_U_LED_BUFFER32 R52_U_LED_BUFFER33 R52_U_LED_BUFFER34 R52_U_LED_BUFFER41 R52_U_LED_BUFFER42 R52_U_LED_BUFFER43 R52_U_LED_BUFFER44 R52_U_LED_BUFFER51 R52_U_LED_BUFFER52 R52_U_LED_BUFFER53 R52_U_LED_BUFFER54 R52_U_LED_BUFFER61 R52_U_LED_BUFFER62 R52_U_LED_BUFFER63 R52_U_LED_BUFFER64 R52_U_LED_BUFFER71 R52_U_LED_BUFFER72 R52_U_LED_BUFFER73 R52_U_LED_BUFFER74 R52_U_LED_BUFFER81 R52_U_LED_BUFFER82 R52_U_LED_BUFFER83 R52_U_LED_BUFFER84 R52_U_LED_BUFFER91 R52_U_LED_BUFFER92 R52_U_LED_BUFFER93 R52_U_LED_BUFFER94 R52_U_LED_BUFFER101 R52_U_LED_BUFFER102 R52_U_LED_BUFFER103 R52_U_LED_BUFFER104 R53_U_LED_BUFFER11 R53_U_LED_BUFFER12 R53_U_LED_BUFFER13 R53_U_LED_BUFFER14 R53_U_LED_BUFFER21 R53_U_LED_BUFFER22 R53_U_LED_BUFFER23 R53_U_LED_BUFFER24 R53_U_LED_BUFFER31 R53_U_LED_BUFFER32 R53_U_LED_BUFFER33 R53_U_LED_BUFFER34 R53_U_LED_BUFFER41 R53_U_LED_BUFFER42 R53_U_LED_BUFFER43 R53_U_LED_BUFFER44 R53_U_LED_BUFFER51 R53_U_LED_BUFFER52 R53_U_LED_BUFFER53 R53_U_LED_BUFFER54 R53_U_LED_BUFFER61 R53_U_LED_BUFFER62 R53_U_LED_BUFFER63 R53_U_LED_BUFFER64 R53_U_LED_BUFFER71 R53_U_LED_BUFFER72 R53_U_LED_BUFFER73 R53_U_LED_BUFFER74 R53_U_LED_BUFFER81 R53_U_LED_BUFFER82 R53_U_LED_BUFFER83 R53_U_LED_BUFFER84 R53_U_LED_BUFFER91 R53_U_LED_BUFFER92 R53_U_LED_BUFFER93 R53_U_LED_BUFFER94 R53_U_LED_BUFFER101 R53_U_LED_BUFFER102 R53_U_LED_BUFFER103 R53_U_LED_BUFFER104 R54_U_LED_BUFFER11 R54_U_LED_BUFFER12 R54_U_LED_BUFFER13 R54_U_LED_BUFFER14 R54_U_LED_BUFFER21 R54_U_LED_BUFFER22 R54_U_LED_BUFFER23 R54_U_LED_BUFFER24 R54_U_LED_BUFFER31 R54_U_LED_BUFFER32 R54_U_LED_BUFFER33 R54_U_LED_BUFFER34 R54_U_LED_BUFFER41 R54_U_LED_BUFFER42 R54_U_LED_BUFFER43 R54_U_LED_BUFFER44 R54_U_LED_BUFFER51 R54_U_LED_BUFFER52 R54_U_LED_BUFFER53 R54_U_LED_BUFFER54 R54_U_LED_BUFFER61 R54_U_LED_BUFFER62 R54_U_LED_BUFFER63 R54_U_LED_BUFFER64 R54_U_LED_BUFFER71 R54_U_LED_BUFFER72 R54_U_LED_BUFFER73 R54_U_LED_BUFFER74 R54_U_LED_BUFFER81 R54_U_LED_BUFFER82 R54_U_LED_BUFFER83 R54_U_LED_BUFFER84 R54_U_LED_BUFFER91 R54_U_LED_BUFFER92 R54_U_LED_BUFFER93 R54_U_LED_BUFFER94 R54_U_LED_BUFFER101 R54_U_LED_BUFFER102 R54_U_LED_BUFFER103 R54_U_LED_BUFFER104: library part Res1, "Thick Film Resistors - SMD 1/10Watt 33ohms 1% Commercial Use", Mfr="Vishay / Dale", Mfr Part No=CRCW060333R0FKEAC, Package=0603, PRICE=0.101, Stockiest=MOUSER, Stockiest Part No=71-CRCW060333R0FKEAC
U1_IO1 U1_IO2 U1_IO3 U1_IO4: library part CRYSTAL, "Standard Clock Oscillators 25.0 MHZ 3.3V 50PPM SMD 32", Mfr=ABRACON, Mfr Part No=ASE-25.000MHZ-LC-T, PRICE=1.42, Stockiest=MOUSER, Stockiest Part No=815-ASE25.000MHZLCT
U2: "RS-232 Interface IC 3-5.5V Mult-Ch RS232", Mfr="Texas Instruments", Mfr Part No=MAX3232CPWR, PRICE=0.94, Stockiest=MOUSER, Stockiest Part No=595-MAX3232CPWR
U3: "Switching Voltage Regulators High-Efficiency, 3A, 18V, 1200kHz, Synchronous, Step-Down Converter", Mfr="Monolithic Power Systems (MPS)", Mfr Part No=MP2333HGTL-P, PRICE=1.89, Stockiest=MOUSER, Stockiest Part No=946-MP2333HGTL-P